# Altium PCB 主板大.PcbDoc (continued)
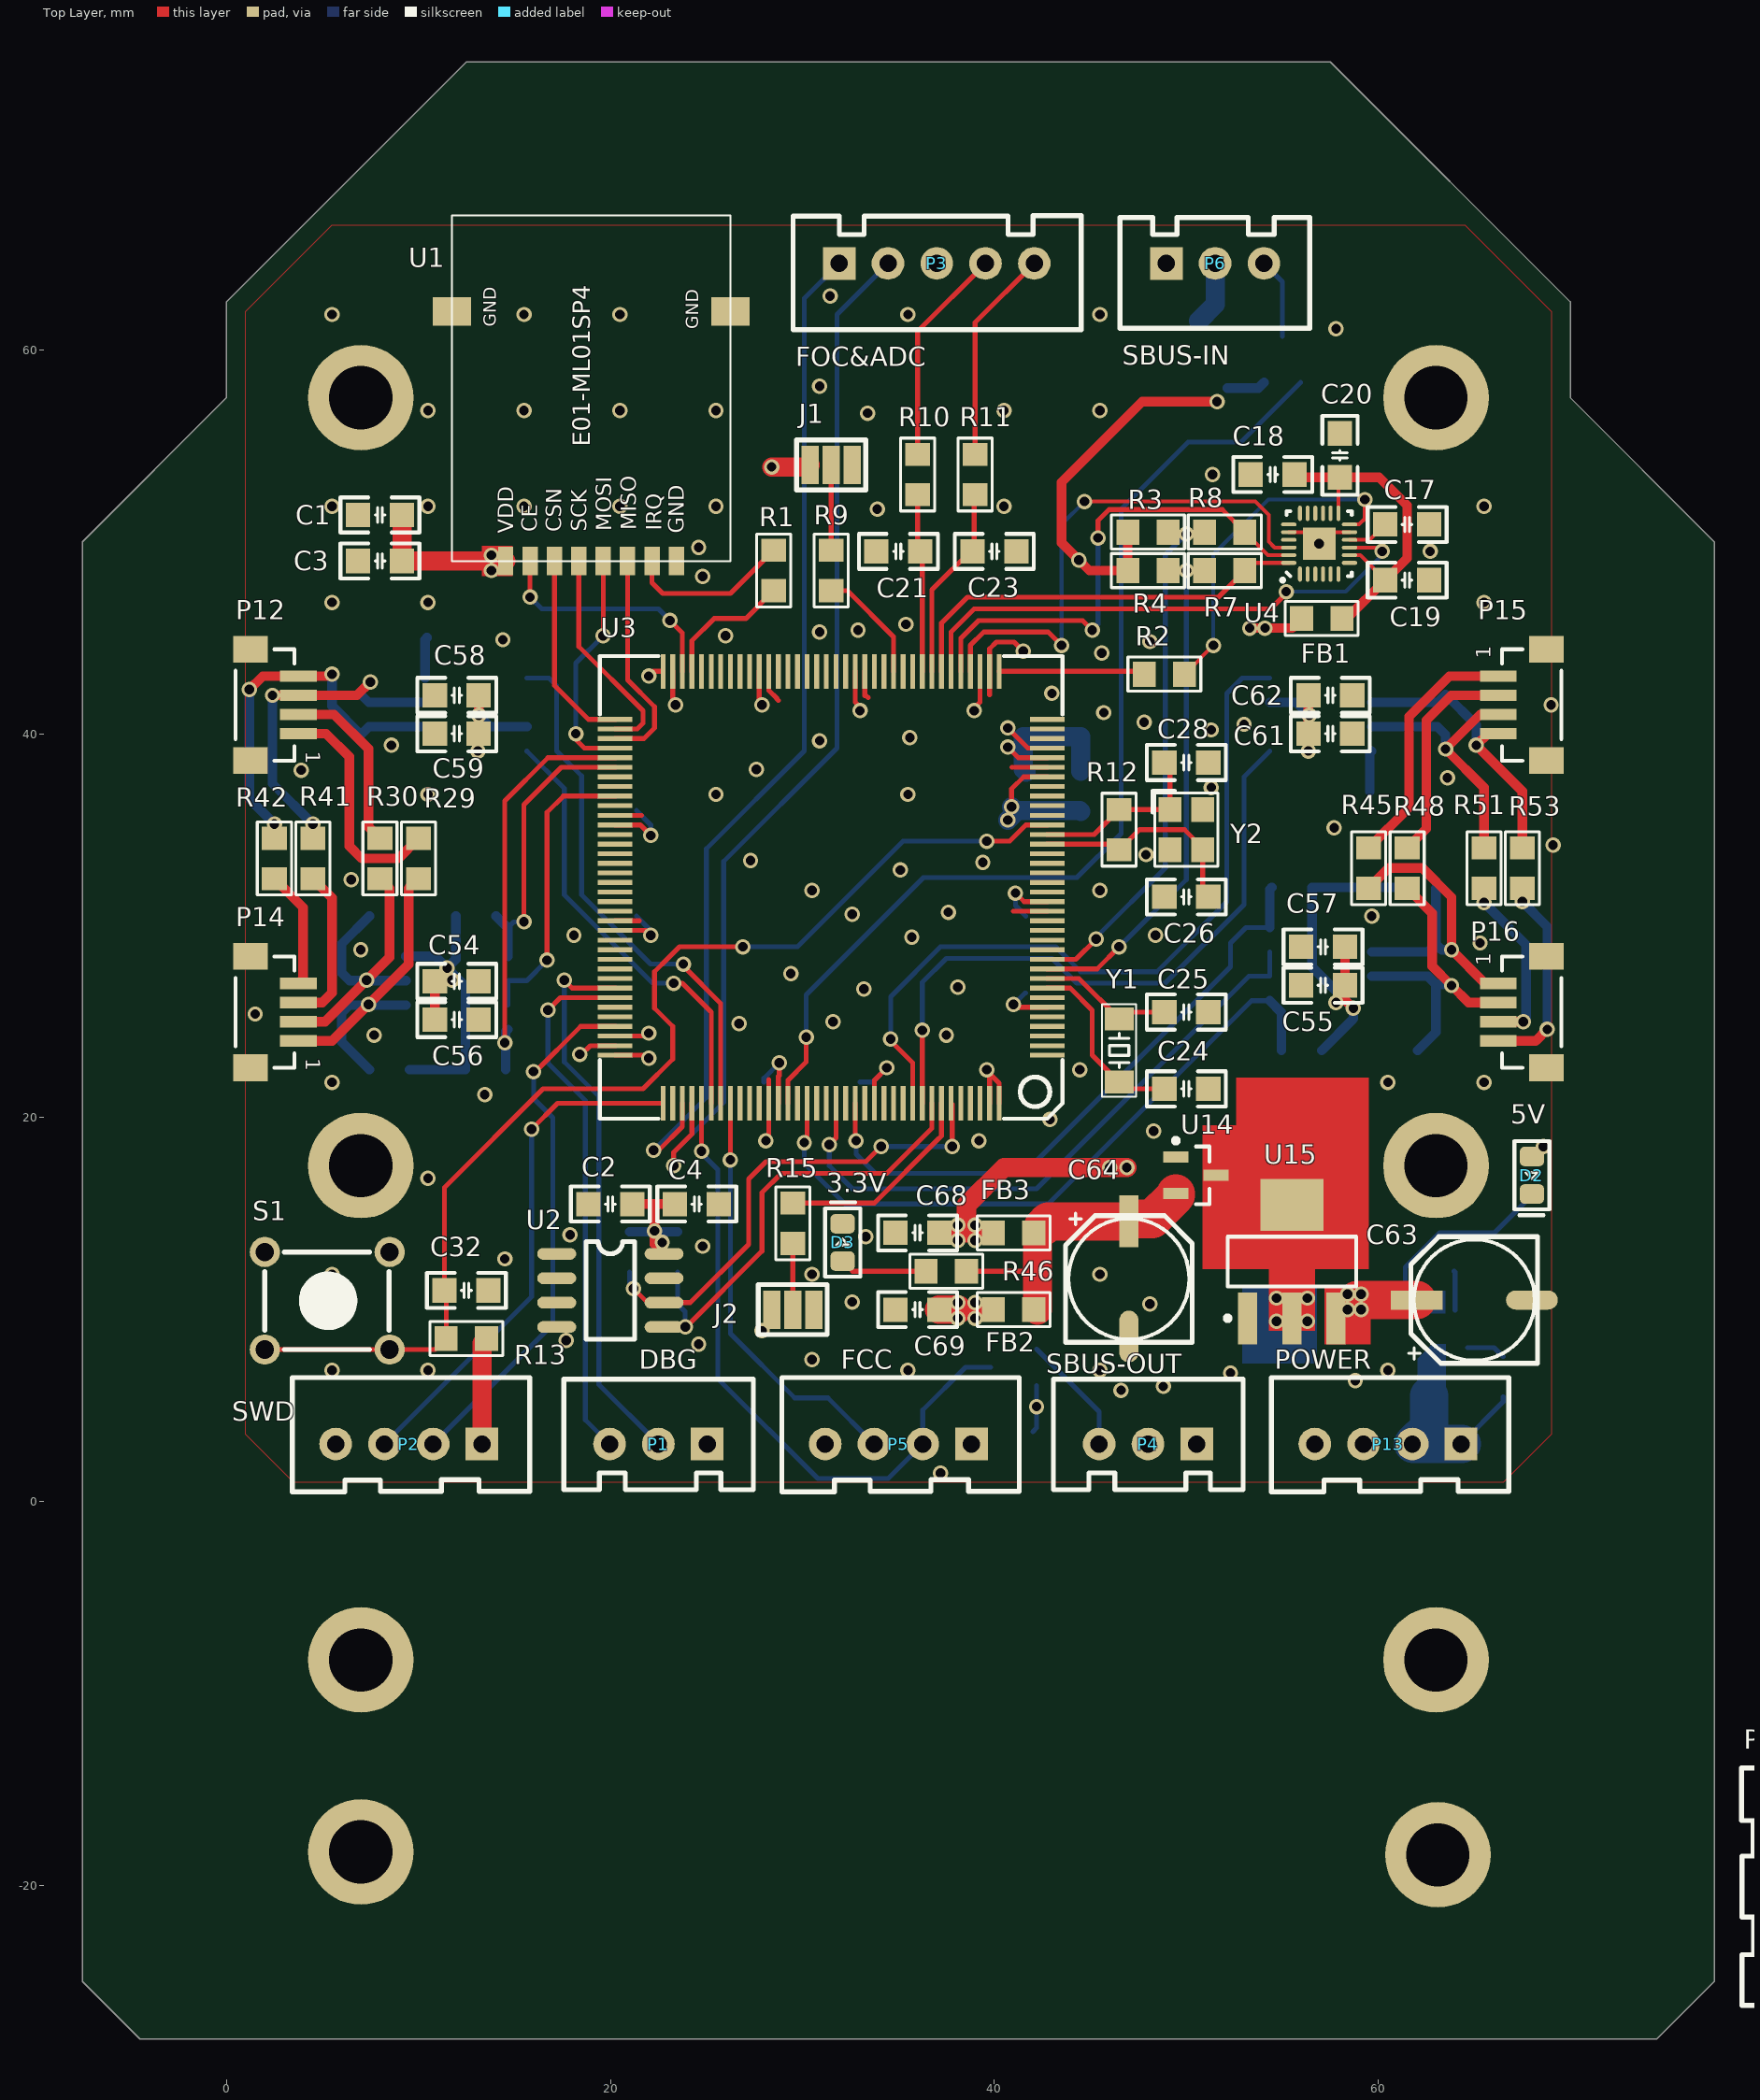
[diagram p0: Top Layer view]
## Footprints (in the part's own frame and the unit in brackets; to place one, negate y for a bottom-side part, rotate by r counter-clockwise, add the part's x,y. Pads: shape width x height; smd on the part's side, far side on the other; paste and mask are expansions set on the pad) (continued)
SMB [mm] "4.7*3.9*2.2mm(长宽高，不包括引脚）联系卖家 免费查找封装"
  rect 2.5x2.2 smd: 1(2.35,0) 2(-2.35,0)
  silkscreen extent -3.57,-1.9 2.8,1.9, body extent -2.65,-1.8 2.65,1.8, height 2.35
SOIC-8 [mm]
  oval 2.2x0.6 smd: 1(-2.654,1.905) 2(-2.654,0.635) 3(-2.654,-0.635) 4(-2.654,-1.905) 5(2.654,-1.905) 6(2.654,-0.635) 7(2.654,0.635) 8(2.654,1.905)
  silkscreen extent -2.06,-2.5 1.27,3.2, body extent -3,-2.5 3,2.5, height 1.9
SOP-8 [mil] "封装库来自淘宝卖家 ID：黄晶宝石"
  oval 80x24 smd: 1(-110,75) 2(-110,25) 3(-110,-25) 4(-110,-75) 5(110,-75) 6(110,-25) 7(110,25) 8(110,75)
  silkscreen extent -50,-100 50,100, body extent -118,-98 118,98, height 75
SOT23-8L [mil] "SOT23, 8-Leads, Body 2.9x1.75mm, Pitch 0.65mm"
  rect 30.5x16 smd paste+0: 1(-49.75,38.39) 2(-49.75,12.8) 3(-49.75,-12.8) 4(-49.75,-38.39) 5(49.75,-38.39) 6(49.75,-12.8) 7(49.75,12.8) 8(49.75,38.39)
  silkscreen extent -70,-61 20,70, body extent -55,-59 55,59, height 45
SOT223_M [mm] "SOT223, 4-Leads, Body 6.5x3.5mm, Pitch 2.3mm, Lead Span 7mm, IPC Low Density联系卖家 获取最新版本"
  rect 1x2.7 smd: 1(-2.3,-2.95) 2(0,-2.95) 3(2.3,-2.95)
  rect 3.3x2.7 smd: 4(0,2.95)
  silkscreen extent -3.47,-3.07 3.35,1.3, body extent -3.25,-3.51 3.25,3.51, height 1.65
SOT-23-3 [mm] "SOT23, 3-Leads, Body 2.9x1.3mm, Pitch 0.95mm, Lead Span 2.4mm, IPC Medium Density"
  rect 0.6x1.3 smd: 1(-0.95,-1.05) 2(0.95,-1.05) 3(0,1.05)
  silkscreen extent -1.92,-1.17 1.5,0.7, body extent -1.5,-1.2 1.5,1.2, height 1.05
SOT-23-5 [mm] "SOT23, 5-Leads, Body 2.9x1.6mm, Pitch 0.95mm, IPC Medium Density"
  rect 1.05x0.6 smd: 1(-1.2,0.95) 2(-1.2,0) 3(-1.2,-0.95) 4(1.2,-0.95) 5(1.2,0.95)
  silkscreen extent -1.32,-1.55 0.3,1.92, body extent -1.4,-1.5 1.4,1.5, height 1.15
WSON-6 [mm]
  rrect50% 0.3x0.45 smd: 1(-0.65,-0.975) 2(0,-0.975) 3(0.65,-0.975) 4(0.65,0.975) 5(0,0.975) 6(-0.65,0.975)
  rrect25% 1.6x1 smd: 7(0,0)
  silkscreen extent -1.3,-1.3 1,1, body extent -1.05,-1.02 1.02,1.02, height 1
XH2.54-LI-3P [mm] "接插件，3P"
  rect 1.7x1.7 hole 0.9: 1(-2.54,0)
  round 1.7 hole 0.9: 2(0,0) 3(2.54,0)
  silkscreen extent -4.95,-3.38 4.93,2.39, body extent -5.04,-3.3 5.04,2.4, height 7
XH2.54-LI-4P [mm] "接插件，4P"
  rect 1.7x1.7 hole 0.9: 1(-3.81,0)
  round 1.7 hole 0.9: 2(-1.27,0) 3(1.27,0) 4(3.81,0)
  silkscreen extent -6.3,-3.45 6.07,2.49, body extent -6.31,-3.3 6.31,2.4, height 7.05
XH2.54-LI-5P [mm] "接插件，5P  淘宝ID:黄晶宝石   店铺网址:https://shop463601444.taobao.com"
  rect 1.7x1.7 hole 0.9: 1(-5.08,0)
  round 1.7 hole 0.9: 2(-2.54,0) 3(0,0) 4(2.54,0) 5(5.08,0)
  silkscreen extent -7.48,-3.45 7.52,2.49, body extent -7.58,-3.3 7.58,2.4, height 7.05
XT30PB-F [mm] "TH, 2-Leads, Body 10.2x5.2mm, Pitch 5.00mm"
  rect 2.8x2.8 hole 1.7: 1(-2.5,0)
  round 2.8 hole 1.7: 2(2.5,0)
  silkscreen extent -5.1,-2.6 5.1,2.6, body extent -5.1,-2.6 5.1,2.6, height 9.4

## Part data
C1 C3 C5 C6 C7 C8 C9 C10 C11 C12 C13 C14 C15 C16 C17 C18 C19 C20 C21 C22 C23 C24 C25 C26 C27 C28 C29 C30 C31 C32 C33 C34 C35 C36 C39 C40 C41 C44 C45 C46 C49 C54 C55 C56 C57 C58 C59 C60 C61 C62: library part CAP, "Capacitor"
C2 C4 C65 C66 C67 C68 C69: library part Cap, "Capacitor", LatestRevisionDate=17-Jul-2002, LatestRevisionNote="Re-released for DXP Platform.", PackageDescription="Radial Cap, Thru-Hole; 2 Leads; 0.3 in Pin Spacing", PackageReference=RAD-0.3, Published=8-Jun-2000, Publisher="Altium Limited"
C37 C38 C47 C48 C50 C51 C52 C53: library part "Cap Pol2", "Low ESR required"
C42 C43: library part "Cap Pol2", "固态电容"
C63 C64: library part "Cap Pol2", "Polarized Capacitor (Axial)"
D1: library part TVS
D2 D3: library part LED1, "Typical RED GaAs LED", LatestRevisionDate=08-Jul-2005, LatestRevisionNote="Mech Layer 1 removed.", PackageDescription="LED; 2 Leads", PackageReference=LED-1, Published=8-Jun-2000, Publisher="Altium Limited"
FB1 FB2 FB3: library part L
L1: library part "Inductor Iron", "Magnetic-Core Inductor", LatestRevisionDate=17-Jul-2002, LatestRevisionNote="Re-released for DXP Platform.", PackageDescription="Axial Device, Thru-Hole; 2 Leads; 0.9 in Pin Spacing", PackageReference=AXIAL-0.9, Published=24-Mar-1999, Publisher="Altium Limited"
P1 P4 P6: library part "Header 3", "Header, 3-Pin", LatestRevisionDate=17-Jul-2002, LatestRevisionNote="Re-released for DXP Platform.", Publisher="Altium Limited"
P2 P5 P11 P13: library part "Header 4", "Header, 4-Pin", LatestRevisionDate=17-Jul-2002, LatestRevisionNote="Re-released for DXP Platform.", Publisher="Altium Limited"
P3 P12 P14 P15 P16: library part "Header 5", "Header, 5-Pin"
  P3: LatestRevisionDate=17-Jul-2002, LatestRevisionNote="Re-released for DXP Platform.", Publisher="Altium Limited"
P7 P8 P9 P10: library part "Header 2", "Header, 2-Pin", LatestRevisionDate=17-Jul-2002, LatestRevisionNote="Re-released for DXP Platform.", Publisher="Altium Limited"
R1 R2 R3 R4 R5 R6 R7 R8 R9 R10 R11 R12 R13 R14 R15 R16 R17 R18 R19 R20 R21 R22 R23 R24 R25 R26 R27 R28 R29 R30 R31 R32 R33 R34 R35 R36 R37 R38 R39 R40 R41 R42 R43 R44 R45 R46 R47 R48 R49 R50 R51 R52 R53 R54: library part Res2, "Resistor", LatestRevisionDate=17-Jul-2002, LatestRevisionNote="Re-released for DXP Platform.", PackageDescription="Axial Device, Thru-Hole; 2 Leads; 0.4 in Pin Spacing", PackageReference=AXIAL-0.4, Published=8-Jun-2000, Publisher="Altium Limited"
S1: library part SW-PB, "Switch", LatestRevisionDate=17-Jul-2002, LatestRevisionNote="Re-released for DXP Platform.", PackageDescription="Switch; 2 Leads", PackageReference=SPST-2, Published=24-Mar-1999, Publisher="Altium Limited"
U1: library part "Header 10", "Header, 10-Pin", LatestRevisionDate=17-Jul-2002, LatestRevisionNote="Re-released for DXP Platform.", Publisher="Altium Limited"
U4: "6 DoF IMU Footprint QFN24 3*3 P0.4"
U11 U13: library part SN65HVD230/1
U14: "Ideal Diode 5V*1A"
U15: library part AMS1117
Y1: library part XTAL, "CL=12.5pF", LatestRevisionDate=17-Jul-2002, LatestRevisionNote="Re-released for DXP Platform.", PackageDescription="Crystal, Thru-Hole; 2 Leads; Body 3.1 x 8.2 mm (Dia.xH)", PackageReference=R38, Published=8-Jun-2000, Publisher="Altium Limited"
Y2: library part XTAL-4, "CL=12pF", LatestRevisionDate=17-Jul-2002, LatestRevisionNote="Re-released for DXP Platform.", PackageDescription="Crystal, Thru-Hole; 2 Leads; Body 3.1 x 8.2 mm (Dia.xH)", PackageReference=R38, Published=8-Jun-2000, Publisher="Altium Limited"

## Free pads (board coordinates)
  round 5.5 hole 3.3: ""(7,-18.25) ""(7,-8.25) ""(7,17.5) ""(7,57.5) ""(63,-8.25) ""(63,17.5) ""(63,57.5) ""(63.1,-18.4)

## Via types
v1: diameter 0.8, hole 0.5, Top Layer to Bottom Layer, tented both sides, 226 vias

## Nets (pads, with @x,y where several pads share a name; then routed paths per layer and width w, separated by ;. In a path a pad name is that pad's centre, name@x,y a point inside that pad or via, vN(x,y) a via of type N, cw(c..) or ccw(c..) an arc to the next point about the centre after c; other vN are vias at no path point)
485_1_RTS: U3.81 U9.2 U9.3 | length 15.4
  Top Layer w0.254: v1(16.7,28.2) 16.7,35.9 17.55,36.75 U3.81
  Bottom Layer w0.254: U9.3 U9.2 15.635,27.135 v1(16.7,28.2)
485_1_RX: R31.1 U3.78 U9.1 | length 15
  Top Layer w0.254: v1(15.5,30.2) 15.5,36.3 17.45,38.25 U3.78
  Bottom Layer w0.254: 14.654,29.896 14.958,30.2 v1(15.5,30.2)
  Bottom Layer w0.5: R31.1 14.654,29.896 U9.1
485_1_TX: R37.2 U3.77 U9.4 | length 21.4
  Top Layer w0.254: v1(14.5,23.9) 14.5,36.5 16.75,38.75 U3.77
  Bottom Layer w0.5: R37.2 14.55,24.491 U9.4
485_2_RTS: U3.127 U10.2 U10.3 | length 32.7
  Top Layer w0.254: v1(31.4,18.6) 31.75,18.95 U3.127
  Bottom Layer w0.254: v1(31.4,18.6) 31.4,17.5 32.6,16.3 42.2,16.3 53.265,27.365 U10.2 U10.3
485_2_RX: R32.1 U3.124 U10.1 | length 35.6
  Top Layer w0.254: v1(30.1,18.7) 30.25,18.85 U3.124
  Bottom Layer w0.254: v1(30.1,18.7) 30.1,17.62 32.22,15.5 42.8,15.5 53.395,26.095 U10.1
  Bottom Layer w0.5: U10.1 54.95,25.491 R32.1
485_2_TX: R38.2 U3.129 U10.4 | length 32.8
  Top Layer w0.254: U3.129 32.75,18.85 v1(32.8,18.8)
  Bottom Layer w0.254: v1(32.8,18.8) 32.8,18.1 33.8,17.1 41.541,17.1 52.3,27.859 52.3,29.1 53.105,29.905 U10.4
  Bottom Layer w0.5: U10.4 54.346,31.896 R38.2
485A_1: P14.1 R29.2 R35.1 R39.2 U9.6 | length 19.1
  Top Layer w0.5: P14.1 5.505,24 v1(7.4,25.895) 9.5,27.995 9.5,31.95 R29.2
  Bottom Layer w0.5: R39.2 6,23.95 R35.1 6.415,25.865 U9.6
485A_2: P16.1 R36.1 R40.2 R45.2 U10.6 | length 18.7
  Top Layer w0.5: R45.2 60.55,33 62.3,33 63.815,31.485 v1(63.815,28.75) 65.565,27 P16.1
  Bottom Layer w0.5: U10.6 62.585,28.635 R36.1 ; R40.2 63,31.95 R36.1 ; v1(63.815,28.75) 63.3,28.75 R36.1
485B_1: P14.2 R30.2 R33.1 R35.2 U9.7 | length 17.5
  Top Layer w0.5: P14.2 5.143,25 v1(7.3,27.157) 8.5,28.357 8.5,31.95 R30.2
  Bottom Layer w0.5: R33.1 6,29.05 R35.2 6.415,27.135 U9.7
485B_2: P16.2 R34.1 R36.2 R48.2 U10.7 | length 17
  Top Layer w0.5: R48.2 62.8,30.65 62.8,27.9 v1(63.815,26.885) 64.7,26 P16.2
  Bottom Layer w0.5: U10.7 62.585,27.365 R36.2 ; R34.1 63,24.45 R36.2 ; v1(63.815,26.885) 63.75,26.95 R36.2
CAN1_RX: U3.114 U11.4 | length 23.2
  Top Layer w0.254: v1(23.3,27) 23.75,27 25.25,25.5 U3.114
  Bottom Layer w0.254: U11.4 17.6,37.149 17.6,31.6 22.2,27 v1(23.3,27)
CAN1_TX: U3.115 U11.1 | length 28
  Top Layer w0.254: v1(23.8,28) 23.8,27.9 25.75,25.95 U3.115
  Bottom Layer w0.254: U11.1 16.795,42.905 17.2,42.5 17.2,39.1 18.5,37.8 18.5,31.6 22.1,28 v1(23.8,28)
CAN2_RX: U3.135 U13.4 | length 40.1
  Top Layer w0.254: v1(34.6,24.1) 34.6,24 35.746,22.854 35.746,22.712 35.75,22.708 U3.135
  Bottom Layer w0.254: v1(34.6,24.1) 34.6,26.3 37.2,28.9 43.2,28.9 44.5,27.6 48.465,27.6 52.1,31.235 52.1,42.1 52.905,42.905 U13.4
CAN2_TX: U3.136 U13.1 | length 34.4
  Top Layer w0.254: U3.136 v1(36.25,24.55)
  Bottom Layer w0.254: v1(36.25,24.55) 36.25,27.05 37.5,28.3 43,28.3 44.3,27 48.9,27 53,31.1 53,37.749 U13.1
CANH_1: P12.3 R41.2 R47.2 U11.7 | length 17.2
  Top Layer w0.5: v1(2.4,42) P12.3 6.797,42 v1(7.497,42.7) ; R41.2 v1(4.5,35.3)
  Bottom Layer w0.5: v1(2.4,42) 2.4,37.4 v1(4.5,35.3) ; R47.2 7.415,41.635 U11.7
CANH_2: P15.3 R51.2 R54.2 U13.7 | length 14.2
  Top Layer w0.5: R51.2 65.5,37.2 v1(63.5,39.2) 65.3,41 P15.3
  Bottom Layer w0.5: U13.7 63.085,40.365 R54.2 v1(63.5,39.2)
CANL_1: P12.4 R42.2 R47.1 U11.6 | length 20.2
  Top Layer w0.5: v1(1.2,42.3) 1.9,43 P12.4 5.4,43 v1(5.5,43.1) ; R42.2 v1(2.5,35.3)
  Bottom Layer w0.5: v1(1.2,42.3) 1.2,36.6 v1(2.5,35.3) ; v1(5.5,43.1) 5.5,41.45 R47.1 7.415,40.365 U11.6
CANL_2: P15.4 R53.2 R54.1 U13.6 | length 15.1
  Top Layer w0.5: P15.4 65.7,40 v1(65.1,39.4) 67.5,37 R53.2
  Bottom Layer w0.5: U13.6 63.085,41.635 R54.1 65.1,40.45 v1(65.1,39.4)
GND: C1.1 C2.1 C3.1 C4.1 C5.1 C6.1 C7.1 C8.1 C9.1 C10.1 C11.1 C12.1 C13.1 C14.1 C15.1 C16.1 C17.2 C18.1 C19.1 C20.1 C21.1 C22.1 C23.1 C24.1 C25.1 C26.2 C27.1 C28.2 C29.2 C30.2 C31.2 C32.1 C33.1 C34.1 C35.2 C36.2 C40.2 C42.2 C43.2 C44.1 C45.1 C46.1 C54.1 C55.1 C56.1 C57.1 C58.2 C59.2 C60.2 C61.2 C62.2 C63.2 C64.2 C65.1 C66.1 C67.1 C68.1 C69.1 D1.2 D2.2 D3.2 J1.3 J2.3 P1.1 P2.4 P3.3 P4.1 P5.4 P6.1 P11.3 P11.4 P12.0 P13.3 P13.4 P14.0 P15.0 P16.0 R20.2 R21.2 R25.2 R27.2 R28.2 R33.2 R34.2 R44.2 R49.2 R52.1 S1.1 U1.8 U1.9 U1.10 U2.1 U2.2 U2.3 U2.4 U2.7 U3.16 U3.31 U3.38 U3.51 U3.61 U3.83 U3.94 U3.107 U3.120 U3.130 U4.11 U4.18 U4.20 U4.25 U5.3 U6.3 U7.3 U7.4 U8.9 U9.5 U10.5 U11.2 U12.5 U12.7 U13.2 U14.1 U15.1 Y2.2 Y2.4 | length 22.9
  Top Layer w0.2: U4.20 56.318,50.5 v1(56.918,49.9) 57.518,50.5 U4.11
  Top Layer w0.254: v1(18.4,23.3) 18.501,23.3 18.951,23.75 U3.107 ; U3.94 21.49,30.25 ; U3.83 21.634,35.75 ; v1(28.1,18.8) 28.25,18.95 U3.120 28.25,21.981 ; U3.61 28.25,42.254 28.681,41.824 28.681,41.806 28.75,41.737 ; U3.51 33.25,41.981 33.323,41.981 33.431,41.873 ; 39.75,42.02 U3.38 39.75,44.421 40.099,44.77 41.03,44.77 v1(41.5,44.3) ; 40.921,38.25 U3.31 ; 40.979,30.75 U3.16
  other v1: 37.2,1.484 46.6,5.8 48.8,6 58.8,6.3 52.3,6.7 5.5,6.84 10.5,6.84 35.5,6.84 45.5,6.84 60.5,6.84 30.5,7.4 24.6,8.2 17.7,8.4 48.1,10.3 32.6,10.4 5.5,11.84 30.5,11.84 45.5,11.84 14.5,12.643 24.8,13.3 33.3,13.8 17.9,13.9 10.5,16.84 39.2,18.8 48.3,19.3 42.9,19.9 13.455,21.2 5.5,21.84 60.5,21.84 65.5,21.84 44.45,22.5 7.7,24.3 37.5,24.3 26.7,24.9 31.6,25 1.5,25.4 33.2,26.7 38.1,26.8 29.4,27.5 7,28.75 65.3,29.1 35.7,29.4 18.1,29.5 48.4,29.5 59.654,30.5 32.6,30.6 37.6,30.7 30.5,31.84 45.5,31.84 6.5,32.4 35.1,32.9 39.4,33.3 27.3,33.4 47.9,33.7 69.1,34.2 57.7,35.1 10.5,36.84 25.5,36.84 35.5,36.84 51.3,37.2 63.6,37.7 3.9,38.1 27.6,38.143 8.6,39.4 30.9,39.634 35.6,39.8 51.3,40.2 53.006,40.492 47.8,40.6 45.7,41.1 69,41.5 43,42.1 45.6,44.2 48.1,44.8 14.4,44.896 26,45.1 30.9,45.3 32.9,45.4 35.4,45.7 5.5,46.84 10.5,46.84 65.5,46.84 24.8,48.2 62.7,49.5 24.6,49.7 33.9,51.7 5.5,51.84 10.5,51.84 15.5,51.84 20.5,51.84 25.5,51.84 40.5,51.84 65.5,51.84 51.357,53.5 33.4,56.7 10.5,56.84 15.5,56.84 20.5,56.84 25.5,56.84 40.5,56.84 45.5,56.84 30.9,58.1 57.8,61.1 5.5,61.84 15.5,61.84 20.5,61.84 35.5,61.84 45.5,61.84 31.441,62.8
HVBUS: C42.1 C46.2 U7.5 U7.8 U8.15 U8.16
HVIN: C40.1 D1.1 R17.1 R26.1 U8.1 U8.2
HVIN_ADC: C23.2 R11.2 R26.2 R28.1 U3.44 | length 10
  Top Layer w0.254: U3.44 36.75,47.5 38.95,49.7 38.95,52.307 R11.2@39,52.357
IMU1_I2C_SCL: R8.1 U3.41 U4.23 | length 26.1
  Top Layer w0.2: R8.1 54.25,49.3 U4.23
  Top Layer w0.254: U3.41 38.25,44.977 39.173,45.9 44.6,45.9 v1(45.1,45.4) ; v1(45.4,50.2) 45.4,51.1 45.973,51.673 51.877,51.673 R8.1
  Bottom Layer w0.254: v1(45.1,45.4) 45.4,45.7 v1(45.4,50.2)
IMU1_I2C_SDA: R7.1 U3.43 U4.24 | length 21.9
  Top Layer w0.2: R7.1 53.45,48.9 U4.24
  Top Layer w0.254: U3.43 37.25,45.767 38.6,47.117 51.667,47.117 R7.1
IMU1_INT: R2.1 U4.12 | length 17.9
  Top Layer w0.2: R2.1 v1(51.407,44.6) ; U4.12 59,50.9 59.3,51.2 v1(59.3,52.2)
  Bottom Layer w0.2: v1(51.407,44.6) 51.407,49.341 54.266,52.2 v1(59.3,52.2)
IMU1_SPI_nCS: U3.40 U4.22 | length 27.1
  Top Layer w0.2: v1(44.7,52.1) 53.6,52.1 54.3,51.4 54.3,50 54.6,49.7 U4.22
  Top Layer w0.254: U3.40 38.75,44.6 39.45,45.3 42.8,45.3 v1(43.5,44.6)
  Bottom Layer w0.2: v1(43.5,44.6) 43.5,50.9 v1(44.7,52.1)
IMU1_SPI_SDO: U3.42 U4.9 | length 28.2
  Top Layer w0.2: U4.9 60,49.7 v1(60.2,49.5)
  Top Layer w0.254: U3.42 37.75,45.3 38.95,46.5 54.4,46.5 55.2,47.3 v1(55.2,47.4)
  Bottom Layer w0.2: v1(55.2,47.4) 58.3,47.4 60.2,49.3 v1(60.2,49.5)
NetC17_1: C17.1 U4.10 | length 2.2
  Top Layer w0.2: U4.10 59.557,50.1 C17.1
NetC18_2: C18.2 C19.2 C20.2 FB1.1 U4.8 U4.13 | length 18.3
  Top Layer w0.2: U4.13 57.918,53.275 C20.2 ; U4.8 59.057,49.3 C19.2
  Top Layer w0.5: C18.2 55.786,53.357 C20.2 60.043,53.357 61.5,51.9 61.5,49.143 C19.2 58.357,46 FB1.1
NetC24_2: C24.2 U3.8 Y1.2 | length 9.7
  Top Layer w0.254: U3.8 43.95,26.75 45.1,25.6 45.1,23.25 Y1.2 46.85,21.5 C24.2
NetC25_2: C25.2 U3.9 Y1.1 | length 7.1
  Top Layer w0.254: U3.9 44.4,27.25 Y1.1 46.85,25.5 C25.2
NetC26_1: C26.1 R12.2 U3.23 Y2.3 | length 11.7
  Top Layer w0.254: U3.23 46.2,34.25 R12.2 47.55,35 49.9,35 50.85,34.05 Y2.3 50.85,31.793 C26.1
NetC28_1: C28.1 R12.1 U3.24 Y2.1 | length 9.5
  Top Layer w0.254: U3.24 45.2,34.75 R12.1 Y2.1 49.15,38.207 C28.1
NetC30_1: C30.1 U3.71 | length 1.8
  Top Layer w0.254: U3.71 23.25,41.65 v1(23.4,41.5)
NetC31_1: C31.1 U3.106 | length 1.8
  Top Layer w0.254: U3.106 21.85,24.25 v1(22,24.4)
NetC39_1: C39.1 U7.7
NetC39_2: C39.2 L1.1 U7.6
NetC41_1: C41.1 R16.2 R21.1 U7.1
NetC49_1: C49.1 U8.12
NetC66_2: C66.2 C67.2 U14.3 U15.2 U15.4
  other v1: 54.7,9.4 56.3,9.4 54.7,10.6 56.3,10.6
NetD2_1: D2.1 R43.1
  other v1: 68.6,18.5
NetD3_1: D3.1 R46.1 | length 4.6
  Top Layer w0.254: D3.1 32.625,12 R46.1
NetJ1_1: J1.1 R9.2 | length 4.5
  Top Layer w0.254: R9.2 J1.1
NetJ2_1: J2.1 R15.2 | length 3.4
  Top Layer w0.254: J2.1 R15.2
NetP3_4: P3.4 R10.1 | length 11.4
  Top Layer w0.254: R10.1 36,60.96 P3.4
NetP3_5: P3.5 R11.1 | length 11.2
  Top Layer w0.254: R11.1 39,61.42 P3.5
NetP4_3: P4.3 U5.4 | length 6.3
  Bottom Layer w0.254: U5.4 45.46,4.69 P4.3
NetP6_3: P6.3 U6.2 | length 4.2
  Bottom Layer w0.254: P6.3 55,63.54 U6.2
NetP12_1: P12.1 R29.1 | length 12.1
  Top Layer w0.5: P12.1 5.2,40 6.4,38.8 6.4,34.15 7.05,33.5 8.95,33.5 R29.1
NetP12_2: P12.2 R30.1 | length 9.3
  Top Layer w0.5: P12.2 5.607,41 7.4,39.207 7.4,35.15 R30.1
NetP14_3: P14.3 R41.1 | length 8.3
  Top Layer w0.5: P14.3 5,26 5.505,26.505 5.505,31.445 R41.1
NetP14_4: P14.4 R42.1 | length 6.2
  Top Layer w0.5: R42.1 4,30.95 4,27.25 P14.4
NetP15_1: P15.1 R45.1 | length 13.2
  Top Layer w0.5: R45.1 61.6,36.15 61.6,40.9 63.7,43 P15.1
NetP15_2: P15.2 R48.1 | length 11.4
  Top Layer w0.5: R48.1 62.5,35.05 62.5,40.7 63.8,42 P15.2
NetP16_3: P16.3 R51.1 | length 9.2
  Top Layer w0.5: v1(65.5,31.2) R51.1 ; P16.3 v1(67.55,25)
  Bottom Layer w0.5: v1(65.5,31.2) 67.7,29 67.7,25.15 v1(67.55,25)
NetP16_4: P16.4 R53.1 | length 10
  Top Layer w0.5: P16.4 68.2,24 v1(68.8,24.6)
  Bottom Layer w0.5: v1(67.5,31.25) 68.8,29.95 v1(68.8,24.6)
NetR9_1: R9.1 U3.48 | length 6
  Top Layer w0.254: R9.1 32.35,47.45 34.75,45.05 U3.48
NetR15_1: R15.1 U3.138 | length 10.9
  Top Layer w0.254: R15.1 33.75,15.55 37.019,18.819 37.019,18.824 37.25,19.054 U3.138
NetR17_2: R17.2 R18.2
NetR18_1: R18.1 R19.1 U8.3
NetR19_2: R19.2 R22.1 U8.5
NetR20_1: R20.1 U7.2
NetR23_1: R23.1 U8.6
NetR24_1: R24.1 U8.11
NetR44_1: R44.1 U11.8 | length 2.1
  Bottom Layer w0.5: U11.8 10.346,44.896 R44.1
NetR49_1: R49.1 U13.8 | length 2.1
  Bottom Layer w0.5: R49.1 59.55,38.991 U13.8
NetR50_1: R50.1 U12.4 | length 2
  Bottom Layer w0.254: U12.4 66.025,8.025 R50.1
NetR52_2: R52.2 U12.2 | length 2
  Bottom Layer w0.254: R52.2 64,11.95 U12.2
NRF_CE: U1.2 U3.70 | length 12.6
  Top Layer w0.254: v1(15.817,47.117) U1.2 ; v1(23.1,45.9) 23.75,45.25 U3.70
  Bottom Layer w0.254: v1(15.817,47.117) 16.434,46.5 22.5,46.5 v1(23.1,45.9)
NRF_CSN: U1.3 U3.73 | length 10.4
  Top Layer w0.254: U1.3 17.087,42.513 18.85,40.75 U3.73
NRF_IRQ: R1.2 U1.7 | length 8.6
  Top Layer w0.254: U1.7 22.167,47.86 22.727,47.3 26.25,47.3 R1.2
NRF_MISO: U1.6 U3.75 | length 11.6
  Top Layer w0.254: U3.75 21.75,39.75 22.3,40.3 22.3,41.4 20.897,42.803 U1.6
NRF_MOSI: U1.5 U3.76 | length 12.2
  Top Layer w0.254: v1(18.2,40) 18.2,39.7 18.65,39.25 U3.76 ; v1(19.627,45.1) 19.627,48.857 19.7,48.93 U1.5
  Bottom Layer w0.254: v1(18.2,40) 18.2,43.673 v1(19.627,45.1)
NRF_SCK: U1.4 U3.74 | length 11.4
  Top Layer w0.254: U1.4 18.357,44.543 21.7,41.2 21.7,40.55 21.4,40.25 U3.74
NRST: C32.2 R13.2 S1.2 U3.25 | length 60.8
  Top Layer w0.254: S1.2@2,7.92 8.5,7.92 10.87,7.92 R13.2 11.45,10.907 C32.2 11.357,16.357 16.5,21.5 21.7,21.5 23.25,23.05 23.25,24.75 22.3,25.7 22.3,27.6 23.019,28.319 23.019,28.323 23.477,28.781 23.481,28.781 23.6,28.9 v1(26.9,28.9) ; v1(39.6,34.4) 40.8,34.4 41.65,35.25 U3.25
  Bottom Layer w0.254: v1(26.9,28.9) 29.75,28.9 35.25,34.4 v1(39.6,34.4)
PA3_EXTI3: R2.2 U3.37 | length 7.6
  Top Layer w0.254: U3.37 47.657,43.25 R2.2
PA9_USART1_TX: P1.2 U3.101 | length 29
  Top Layer w0.254: v1(17.6,27.157) 18.007,26.75 U3.101
  Bottom Layer w0.254: v1(17.6,27.157) 17.6,22.9 19.4,21.1 19.4,6.1 P1.2
PA10_USART1_RX: P1.3 U3.102 | length 27.7
  Top Layer w0.254: v1(16.75,25.6) 17.4,26.25 U3.102
  Bottom Layer w0.254: v1(16.75,25.6) 16.75,22.85 18.7,20.9 18.7,4.26 P1.3
PA13_SWDIO: P2.2 U3.105 | length 27.6
  Top Layer w0.254: v1@16.05,22.35 18.45,24.75 U3.105
  Bottom Layer w0.254: P2.2 17,9.23 17,20 16,21 v1(16,22.4)
PA14_SWCLK: P2.3 U3.109 | length 27
  Top Layer w0.254: v1(15.9,19.4) 17.25,20.75 U3.109
  Bottom Layer w0.254: P2.3 15.9,10.67 v1(15.9,19.4)
PB7_I2C1_SDA: R6.2 U2.5 U3.137 | length 24.3
  Top Layer w0.254: U2.5 23.945,9.095 27.9,13.05 27.9,16.1 28.9,17.1 34.4,17.1 36.75,19.45 U3.137
  Bottom Layer w0.254: R6.2 23.5,10.3 23.9,9.9 v1(23.9,9.1)
PB8_I2C1_SCL: R5.2 U2.6 U3.139 | length 25.5
  Top Layer w0.254: v1(21.2,11.1) 21.935,10.365 U2.6 24.165,10.365 27.2,13.4 27.2,16.8 28.1,17.7 33.3,17.7 v1(34.1,18.5) ; U3.139 37.8,20.7 v1(37.8,18.5)
  Bottom Layer w0.254: R5.2 21,11.3 v1(21.2,11.1) ; v1(34.1,18.5) v1(37.8,18.5)
PB10_EXTI10: R1.1 U3.69 | length 6.9
  Top Layer w0.254: U3.69 24.25,44.85 25.4,46 27.05,46 R1.1
PC10_UART4_TX: P3.1 U3.111 | length 53.4
  Top Layer w0.254: v1(22.25,18.3) 22.52,18.3 23.75,19.53 U3.111
  Bottom Layer w0.254: v1(22.25,18.3) 25,21.05 25,34 30.1,39.1 30.1,62.68 P3.1
PC11_UART4_RX: P3.2 U3.112 | length 55.3
  Top Layer w0.254: v1(23.3,17.5) 23.3,18.2 24.25,19.15 U3.112
  Bottom Layer w0.254: v1(23.3,17.5) 23.3,18.2 25.9,20.8 25.9,33.35 31.8,39.25 31.8,61.84 P3.2
PC12_UART5_TX: P5.2 U3.113 U5.2 | length 34.5
  Top Layer w0.254: v1(24.75,18.25) U3.113
  Bottom Layer w0.254: v1(24.75,18.25) 24.75,18.15 25.6,17.3 25.6,6.4 30.8,1.2 34.47,1.2 P5.2 36.27,4.77 38.5,7 U5.2
PD2_UART5_RX: P5.3 U3.116 | length 21.9
  Top Layer w0.254: v1(26.25,17.8) U3.116
  Bottom Layer w0.254: v1(26.25,17.8) 26.25,8.75 29.6,5.4 31.33,5.4 P5.3
PD5_USART2_TX: U3.119
PD6_USART2_RX: U3.122 U6.4 | length 54.9
  Top Layer w0.254: U3.122 29.25,21.95 30.2,22.9 v1(30.2,24.2)
  Bottom Layer w0.254: v1(30.2,24.2) 30.2,26.4 36.3,32.5 44.3,32.5 46.6,34.8 46.6,51.7 50.1,55.2 52.85,55.2 U6.4
PF0_I2C2_SDA: R4.2 R7.2 U3.10 | length 27.2
  Top Layer w0.254: U3.10 45.35,27.75 v1(46.5,28.9) ; R4.2 v1(50,48.5) R7.2
  Bottom Layer w0.254: v1(46.5,28.9) 50,32.4 v1(50,48.5)
PF1_I2C2_SCL: R3.2 R8.2 U3.11 | length 27.9
  Top Layer w0.254: U3.11 44.25,28.25 v1(45.3,29.3) ; R3.2 R8.2
  Bottom Layer w0.254: v1(45.3,29.3) 45.3,29.4 48.9,33 48.9,49.3 v1(50,50.4)
PGND: C37.2 C38.2 C47.2 C48.2 C50.2 C51.2 C52.2 C53.2 P7.2 P8.2 P9.2 P10.2 R25.1 R27.1
RTN: C49.2 R22.2 R23.2 R24.2 U8.8 U8.17
VCC5V: C35.1 C41.2 C43.1 C44.2 C45.2 C63.1 C65.2 L1.2 P6.2 P11.1 P11.2 R16.1 R43.2 U12.1 U15.3 | length 89.2
  Top Layer w2: v1(58.4,10) 58.9,10.5 C63.1
  Mid 2 w1: P6.2 53.6,62.4 65.2,62.4 67.8,59.8 67.8,37.5 61.4,31.1 61.4,24.7 57.8,21.1 57.8,11.3 58.7,10.4
  Bottom Layer w0.254: 61.4,10.5 61.4,12.2 63.2,14 66.05,14 R43.2
  Bottom Layer w1: C35.1 51.5,62.357 P6.2
  other v1: 59.1,10 58.4,10.8 59.1,10.8
VCC33C: C1.2 C3.2 C54.2 C55.2 C56.2 C57.2 C58.1 C59.1 C61.1 C62.1 C68.2 FB3.1 R31.2 R32.2 R37.1 R38.1 R39.1 R40.1 U1.1 U9.8 U10.8 U11.3 U13.3 | length 157.8
  Top Layer w0.5: C56.2 10.857,27.157 v1(11.5,27.8) ; C59.1 v1(13.143,40.957) C58.1 ; C61.1 C62.1 ; C57.2 C55.2 58.261,26.139 v1(58.7,25.7)
  Top Layer w1: C1.2 C3.2 14.544,49 U1.1 ; C68.2 38.546,14 ; FB3.1 38.546,14 ; v1(46.9,17.4) v1(46,17.4) 40.5,17.4 38.546,15.446 38.546,14
  Mid 2 w1: v1(13.8,49.3) v1(13.8,48.5) 13.8,47.9 13.143,47.243 v1(13.143,40.957) 13.143,29.443 v1(11.5,27.8) 11.5,19 14.5,16 36.6,16 38.6,14 ; v1(46,17.4) v1(46.9,17.4) 50.4,17.4 v1(58.7,25.7) 56.4,28 v1(56.4,40.957)
  Bottom Layer w0.5: U9.8 10.895,28.405 v1(11.5,27.8) ; R39.1 R37.1 12.45,26.85 v1(11.5,27.8) ; R31.2 11.95,28.25 v1(11.5,27.8) ; v1(13.143,40.957) 13.735,40.365 U11.3 ; U13.3 55.722,41.635 v1(56.4,40.957) ; R32.2 58.7,25.15 v1(58.7,25.7) 56.55,27.85 R38.1 R40.1
  other v1: 38.1,13.6 39,13.6 38.1,14.4 39,14.4 57.8,26 11.75,27.157 13.1,39.1 56.357,39.1
VCC33P: C2.2 C4.2 C5.2 C6.2 C7.2 C8.2 C9.2 C10.2 C11.2 C12.2 C13.2 C14.2 C15.2 C16.2 C22.2 C27.2 C36.1 C69.2 FB1.2 FB2.1 J1.2 J2.2 P2.1 R3.1 R4.1 R5.1 R6.1 R13.1 R14.1 U2.8 U3.6 U3.17 U3.30 U3.39 U3.52 U3.62 U3.72 U3.84 U3.95 U3.108 U3.121 U3.131 U3.143 U3.144 U5.5 U6.5 | length 243.2
  Top Layer w0.254: U3.108 21.85,23.25 v1(22,23.1) ; U3.95 21.85,29.75 v1(22.1,29.5) ; U3.84 21.55,35.25 v1(22.1,34.7) ; v1(22,43) 22.25,43.25 U3.72 ; U3.62 27.75,41.65 v1(27.9,41.5) ; U3.121 28.75,22.15 28.8,22.2 v1(28.8,22.854) ; U3.52 32.75,41.65 33,41.4 v1(33,41.2) ; U3.131 33.75,21.95 v1(34.4,22.6) ; v1(38.95,41.2) 38.95,41.35 39.25,41.65 U3.39 ; v1(39.6,22.5) 39.6,22.45 v1@39.75,22.3 ; U3.143 v1@39.75,22.3 ; U3.144 40.25,21.8 v1@39.75,22.3 ; v1(40.9,36.2) 40.9,37.125 41.525,37.75 U3.30 ; v1(41,25.895) 41.145,25.75 U3.6 ; v1(41.1,31.7) 41.55,31.25 U3.17
  Top Layer w0.5: C2.2 22.25,15.5 ; U2.8 22.3,13.399 v1(22.3,14.1) 22.3,15.45 22.25,15.5 ; C4.2 22.25,15.5 ; v1(38.1,9.55) v1@38.1,10 ; R3.1 R4.1 44.95,48.5 v1(44.4,49.05) 43.5,49.95 43.5,53.1 47.7,57.3 v1(51.6,57.3) ; v1(53.3,45.5) v1(54.1,45.5) 55.5,45.5 FB1.2
  Top Layer w1: P2.1 13.31,8.26 R13.1 ; v1(28.4,53.9) 30.3,53.9 J1.2 ; v1@38.1,10 FB2.1
  Top Layer w1.5: C69.2 v1@38.1,10
  Mid 2 w0.5: v1(39,9.55) 40.15,9.55 42.2,7.5 v1(42.2,4.947)
  Mid 2 w1: P2.1 17.21,6.9 25.9,6.9 v1(27.9,8.9) ; v1(22,23.1) 22.9,23.1 23.4,23.6 23.4,24.9 22.1,26.2 v1(22.1,29.5) v1(22.1,34.7) ; v1(22,43) 26.4,43 ; v1(22.3,14.1) 27.5,8.9 v1(27.9,8.9) ; 23,23.1 28.554,23.1 v1(28.8,22.854) 34.146,22.854 v1(34.4,22.6) v1@39.7,22.6 ; v1(28.4,53.9) 28.4,45 26.4,43 ; v1(38.1,9.55) 37.45,8.9 v1(27.9,8.9) ; 38.7,10 41.7,13 41.7,20.4 v1(39.6,22.5) v1@39.7,22.6 ; v1(40.7,35.5) 40.9,35.7 v1(40.9,36.2) ; v1(54.1,45.5) v1(53.3,45.5) 52.3,46.5 46.95,46.5 v1(44.4,49.05) 38.95,43.6 v1(38.95,41.2) ; 26.4,43 v1(27.9,41.5) 28.2,41.2 v1(33,41.2) v1(38.95,41.2) ; v1(38.95,41.2) 38.95,38.15 v1(40.9,36.2) ; v1@39.7,22.6 41,23.9 v1(41,25.895) 41,31 41.1,31.1 v1(41.1,31.7) 41.1,36 v1(40.9,36.2)
  Bottom Layer w0.254: C14.2 22.1,29.757 v1(22.1,29.5) ; C15.2 22.1,35.257 v1(22.1,34.7) ; C12.2 28,22.054 v1(28.8,22.854) ; C11.2 33.657,21.857 v1(34.4,22.6) ; v1(41,25.895) 41.605,26.5 C27.2 ; v1(41.1,31.7) 41.1,31.043 C8.2 ; C22.2 42.2,3.843 v1(42.2,4.947) U5.5
  Bottom Layer w0.5: R5.1 R6.1 ; C36.1 53.75,58 U6.5
  Bottom Layer w1: v1(40.7,35.5) C7.2@41.2,36 ; v1(40.9,36.2) 41.1,36 C7.2@41.2,36 ; R14.1 44.45,36 C7.2 C7.2@41.2,36
  other v1: 38.1,10.365 39,10.365 22.7,13.5
VCC33SYS: C64.1 FB2.2 FB3.2 R46.2 U14.2 | length 15.4
  Top Layer w0.254: R46.2 42.05,12 42.25,11.8
  Top Layer w1.5: FB2.2@42.25,9.961 42.25,11.8 FB3.2@42.25,13.961
  Top Layer w2: FB3.2@42.537,14.326 42.812,14.6 C64.1 ; C64.1@47.008,14.725 48.225,14.725 49.446,15.946 U14.2@49.446,16.05
VCCFOC_ADC: C21.2 R10.2 U3.45 | length 9.2
  Top Layer w0.254: R10.2@36,52.357 36,49.75 36.25,49.5 U3.45
VCCJM: C37.1 C38.1 C47.1 C48.1 C50.1 C51.1 C52.1 C53.1 P7.1 P8.1 P9.1 P10.1
VDDA: C29.1 C33.2 C34.2 R14.2 U3.32 U3.33 | length 11.5
  Top Layer w0.254: v1(40.7,39.3) 41.25,38.75 U3.32 ; v1(40.7,40.3) 41.75,39.25 U3.33
  Bottom Layer w1: C29.1 41.5,38.143 C34.2 C33.2 R14.2
VIN5V: C60.1 P13.1 P13.2 R50.2 U12.6 | length 8.7
  Bottom Layer w0.254: P13.1 66.5,5.19 R50.2
  Bottom Layer w2: C60.1 62.643,3.833 61.81,3 P13.1 P13.1@64.35,3
pads on no net: P4.2 P5.1 U3.1 U3.2 U3.3 U3.4 U3.5 U3.7 U3.12 U3.13 U3.14 U3.15 U3.18 U3.19 U3.20 U3.21 U3.22 U3.26 U3.27 U3.28 U3.29 U3.34 U3.35 U3.36 U3.46 U3.47 U3.49 U3.50 U3.53 U3.54 U3.55 U3.56 U3.57 U3.58 U3.59 U3.60 U3.63 U3.64 U3.65 U3.66 U3.67 U3.68 U3.79 U3.80 U3.82 U3.85 U3.86 U3.87 U3.88 U3.89 U3.90 U3.91 U3.92 U3.93 U3.96 U3.97 U3.98 U3.99 U3.100 U3.103 U3.104 U3.110 U3.117 U3.118 U3.123 U3.125 U3.126 U3.128 U3.132 U3.133 U3.134 U3.140 U3.141 U3.142 U4.1 U4.2 U4.3 U4.4 U4.5 U4.6 U4.7 U4.14 U4.15 U4.16 U4.17 U4.19 U4.21 U5.1 U6.1 U8.4 U8.7 U8.10 U8.13 U8.14 U8.19 U8.20 U8.21 U8.22 U8.23 U8.24 U8.25 U8.26 U8.27 U11.5 U12.3 U13.5

## Polygon pours and split planes (outlines as drawn)
GND on Mid 1 "NONET_L02_P000" (solid, remove dead copper, shelved, pour order 0): 1,62 5.5,66.5 64.5,66.5 69,62 69,3.5 66.5,1 3.5,1 1,3.5
GND on Mid 2 "NONET_L03_P004" (solid, remove dead copper, shelved, pour order 4): 1,62 5.5,66.5 64.5,66.5 69,62 69,3.5 66.5,1 3.5,1 1,3.5
GND on Top Layer "NONET_L01_P006" (solid, remove dead copper, shelved, pour order 6): 1,62 5.5,66.5 64.5,66.5 69,62 69,3.5 66.5,1 3.5,1 1,3.5
GND on Bottom Layer "NONET_L04_P007" (solid, remove dead copper, shelved, pour order 7): 1,62 5.5,66.5 64.5,66.5 69,62 69,3.5 66.5,1 3.5,1 1,3.5

## Other copper
Top Layer:
  rectangle net VCC33C: 13.3,48.2 14.9,49.8
  rectangle net NetC66_2: 54.3,8.9 56.7,12.7
  rectangle net NetC66_2: 50.85,12.1 53.7,19.6
  rectangle net NetC66_2: 52.6,12.1 59.5,22.1
  rectangle net VCC5V: 57.2,8.2 59.6,11.2
Mid 2:
  rectangle net VCC33C: 37.7,13 39.5,14.9
  rectangle net VCC33P: 37.6,9 39.5,11
Bottom Layer:
  rectangle net NetC66_2: 52.9,7.2 56.8,11.2
  rectangle net VCC5V: 58.1,9.8 63.5,11
  region net VIN5V: 63.5,8.2 63.5,5.6 63.2,5.3 62.05,5.3 62.05,7.45 62.8,8.2

## Silkscreen, mask and mechanical layers (free items; w line width, h text height)
Mechanical 1:
  the board outline again, w0.5

## Text inside footprints (layer, text, board x,y; h text height)
P12: Top Overlay "1" at 4.151,39.087 h0.76 r270
P14: Top Overlay "1" at 4.151,23.087 h0.76 r270
P15: Top Overlay "1" at 65.849,43.913 h0.76 r90
P16: Top Overlay "1" at 65.849,27.913 h0.76 r90
U1: Top Overlay "VDD" at 14.94,50.432 h0.8 r90; Top Overlay "GND" at 14.058,61.189 h0.65 r90; Top Overlay "CE" at 16.2,50.512 h0.8 r90; Top Overlay "CSN" at 17.45,50.512 h0.8 r90; Top Overlay "SCK" at 18.77,50.532 h0.8 r90; Top Overlay "MOSI" at 20.05,50.552 h0.8 r90; Top Overlay "MISO" at 21.35,50.602 h0.8 r90; Top Overlay "IRQ" at 22.66,50.582 h0.8 r90; Top Overlay "GND" at 23.84,50.432 h0.8 r90; Top Overlay "GND" at 24.599,61.062 h0.65 r90